# KiCad board pcb-rounded.kicad_pcb (continued)
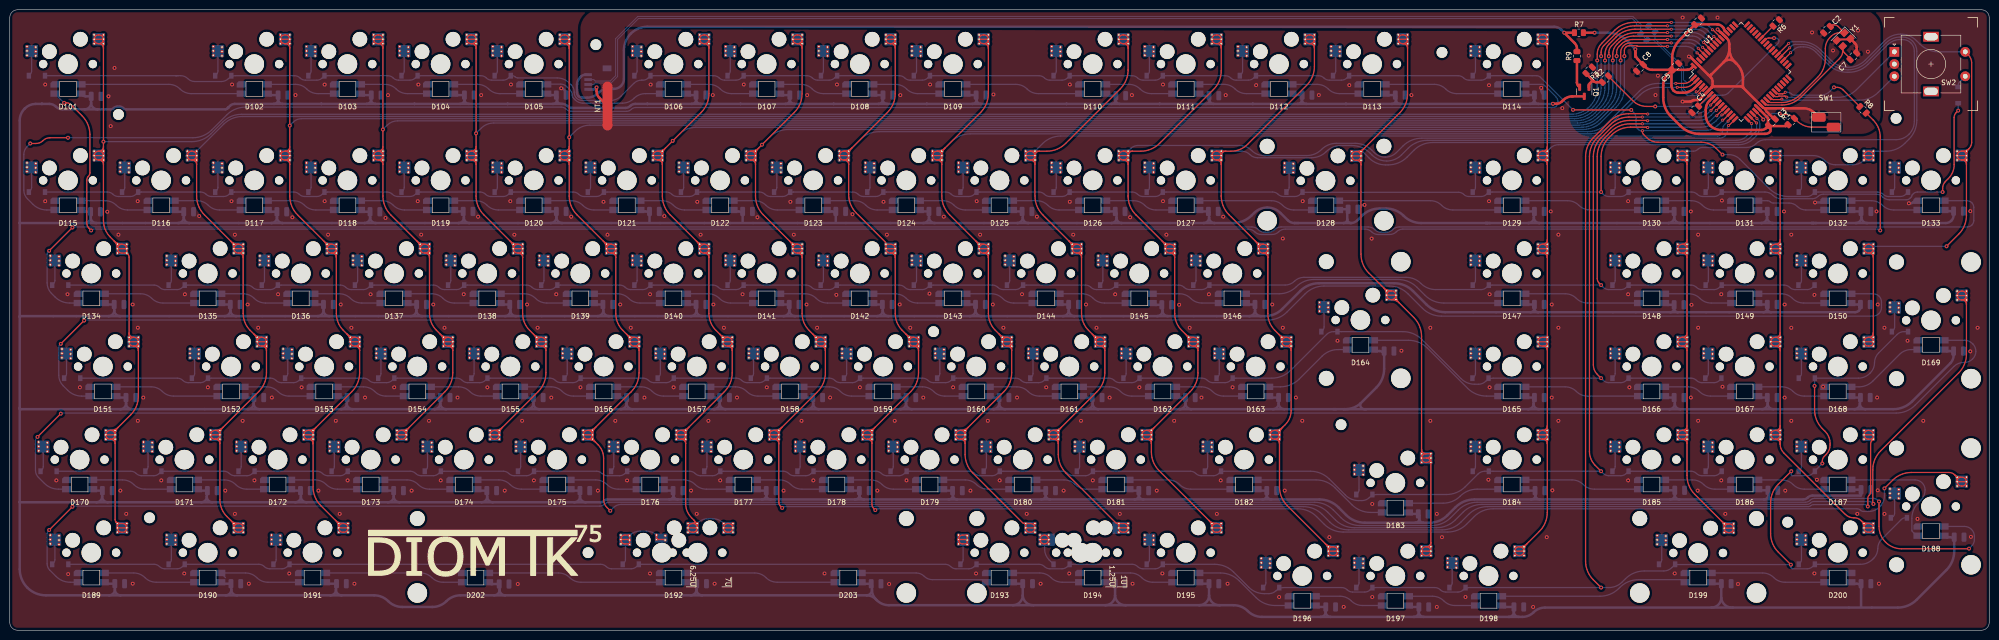
[diagram p0: board, top side]
## Routing (per net, layer and track width the routed paths; a pad name or vN(x,y) marks a point on that pad's centre or on a via; arc(x,y) is an arc through that point) (continued)
Net-(D180-Pad2): length 14.2
  Bottom w0.254: D180.2 215.6,30.77 arc(216.84,30.52) 217.89,29.82 arc(218.94,29.12) 220.18,28.88 D181.4
Net-(D181-Pad2): length 21.4
  Bottom w0.254: D182.4 241.51,28.88 arc(240.28,29.12) 239.23,29.82 arc(238.18,30.52) 236.94,30.77 D181.2
Net-(D182-Pad2): length 27.9
  Bottom w0.254: D183.4 278.31,24.11 arc(276.23,24.53) 274.47,25.71 271,29.18 arc(269.23,30.36) 267.15,30.77 D182.2
Net-(D183-Pad2): length 19.2
  Bottom w0.254: D184.4 300.08,28.88 arc(298.21,28.5) 296.62,27.44 arc(295.03,26.38) 293.16,26.01 D183.2
Net-(D184-Pad2): length 23.7
  Bottom w0.254: D184.2 319.49,30.77 arc(320.73,30.52) 321.78,29.82 arc(322.83,29.12) 324.06,28.88 D185.4
Net-(D185-Pad2): length 14.2
  Bottom w0.254: D185.2 344.13,30.77 arc(345.37,30.52) 346.42,29.82 arc(347.46,29.12) 348.7,28.88 D186.4
Net-(D186-Pad2): length 14.2
  Bottom w0.254: D186.2 362.42,30.77 arc(363.65,30.52) 364.7,29.82 arc(365.75,29.12) 366.99,28.88 D187.4
Net-(D187-Pad2): length 27.2
  Bottom w0.25: D188.4 389.96,19.35 389.07,20.23 arc(389.01,20.32) 388.99,20.43 388.99,22.89 arc(389.34,24.63) 390.32,26.1 390.82,26.59 arc(391.47,27.57) 391.7,28.72 arc(391.09,30.17) 389.64,30.77
  Bottom w0.254: D187.2 389.64,30.77
Net-(D188-Pad2): length 431.4
  Top w0.254: v1(382.27,26.35) 382.27,21.28 arc(382.62,19.51) 383.62,18.02 arc(385.11,17.02) 386.88,16.67 400.63,16.67 arc(400.65,16.67) 400.67,16.68 v1(400.69,16.7) ; v1(12.82,25.28) v1(8.05,20.52)
  Bottom w0.254: v1(400.69,16.7) 401.23,17.25 arc(401.64,17.86) 401.78,18.57 401.78,19.2 arc(401.63,19.98) 401.18,20.65 arc(400.52,21.09) 399.74,21.25 D188.2 ; v1(8.05,20.52) 7.85,20.31 arc(7.69,20.08) 7.64,19.81 7.64,13.59 arc(7.77,12.9) 8.16,12.32 9.47,11.01 arc(10.78,10.13) 12.32,9.83 D189.4 ; v1(382.27,26.35) 381.95,26.67 arc(381.6,26.9) 381.19,26.99 369.13,26.99 arc(368.61,26.88) 368.17,26.59 arc(367.73,26.3) 367.21,26.19 300.08,26.19 arc(298,25.78) 296.23,24.6 294.66,23.03 arc(292.89,21.85) 290.81,21.43 276.1,21.43 arc(274.02,21.85) 272.25,23.03 270.68,24.6 arc(268.91,25.78) 266.83,26.19 122.58,26.19 arc(122.06,26.09) 121.62,25.8 arc(121.18,25.5) 120.66,25.4 13.02,25.4 arc(12.94,25.38) 12.88,25.34 v1(12.82,25.28)
Net-(D189-Pad2): length 19
  Bottom w0.254: D190.4 29.93,9.83 arc(28.69,10.07) 27.65,10.77 arc(26.6,11.47) 25.36,11.72 D189.2
Net-(D190-Pad2): length 17.2
  Bottom w0.254: 44.1,10.77 43.63,11.25 arc(43.57,11.55) 43.83,11.72 48.22,11.72 arc(49.46,11.47) 50.51,10.77 arc(51.55,10.07) 52.79,9.83 D191.4
Net-(D191-Pad2): length 28.5
  Bottom w0.254: D191.2 84.03,11.72 arc(85.27,11.47) 86.32,10.77 arc(87.37,10.07) 88.61,9.83 D202.4
Net-(D192-Pad2): length 30.9
  Bottom w0.254: D192.2 152.36,11.72 arc(153.6,11.47) 154.65,10.77 arc(155.69,10.07) 156.93,9.83 D203.4
Net-(D192-Pad4): length 35.6
  Bottom w0.254: 97.93,11.72 112.23,11.72 arc(113.46,11.47) 114.51,10.77 arc(115.56,10.07) 116.8,9.83 D192.4
Net-(D193-Pad2): length 14.2
  Bottom w0.254: D193.2 210.65,11.72 arc(211.89,11.47) 212.94,10.77 arc(213.99,10.07) 215.23,9.83 D194.4
Net-(D193-Pad4): length 26.2
  Bottom w0.254: 174.13,11.72 185.37,11.72 arc(186.26,11.54) 187.02,11.04 arc(187.78,10.53) 188.67,10.35 198.83,10.35 arc(199.18,10.28) 199.47,10.09 D193.4
Net-(D194-Pad2): length 14.2
  Bottom w0.254: D195.4 233.77,9.83 arc(232.53,10.07) 231.48,10.77 arc(230.43,11.47) 229.19,11.72 D194.2
Net-(D195-Pad2): length 20.8
  Bottom w0.254: D196.4 258.75,5.06 arc(256.67,5.48) 254.9,6.66 251.43,10.13 arc(249.66,11.31) 247.58,11.72 D195.2
Net-(D196-Pad2): length 14.2
  Bottom w0.254: D197.4 276.63,5.06 arc(275.39,5.31) 274.34,6.01 arc(273.29,6.71) 272.06,6.96 266.99,6.96
Net-(D197-Pad2): length 14.2
  Bottom w0.254: 286.04,6.96 290.98,6.96 arc(292.22,6.71) 293.27,6.01 arc(294.31,5.31) 295.55,5.06 D198.4
Net-(D198-Pad2): length 38.6
  Bottom w0.254: D199.4 342.34,10.09 arc(342.05,10.28) 341.71,10.35 333.11,10.35 arc(331.03,9.94) 329.27,8.76 329.06,8.55 arc(327.3,7.37) 325.21,6.96 305.09,6.96
Net-(D199-Pad2): length 23.7
  Bottom w0.254: D200.4 363.05,9.83 arc(361.82,10.07) 360.77,10.77 arc(359.72,11.47) 358.48,11.72 D199.2
Net-(D201-Pad2): length 2.8
  Bottom w0.254: SW2.S1 398.73,112.21 arc(398.53,111.91) 398.46,111.57 D201.2
Net-(J2-Pad4): length 6.5
  Top w0.508: v1(120,111.11) 120,110.33 arc(120.14,109.61) 120.55,109 NT1.2
  Bottom w0.508: 118.28,110.71 119.32,110.71 arc(119.58,110.76) 119.8,110.91 v1(120,111.11)
Net-(Q1-Pad1): length 6.3
  Top w0.508: R2.1 324.44,112.17 arc(324.18,112.22) 323.95,112.37 ; 323.55,112.77 R3.2 ; 323.55,112.77 323.95,112.37 ; 323.55,112.77 arc(323.64,112.57) 323.55,112.37 ; 323.95,112.37 arc(323.75,112.45) 323.55,112.37 ; Q1.1 322.95,111.46 arc(323.01,111.74) 323.17,111.98 323.55,112.37
Net-(Q1-Pad2): length 5.6
  Top w0.508: R9.1 320.5,112.09 arc(320.57,111.73) 320.78,111.43 Q1.2
Net-(R1-Pad2): length 18.5
  Top w0.254: v1(361.95,105.76) 362.05,105.67 arc(362.16,105.59) 362.28,105.57 363.16,105.57 arc(364.11,105.38) 364.9,104.85 365.48,104.28 arc(366.91,103.32) 368.6,102.98 SW1.2 ; v1(358.6,104.51) 358.6,104.6 arc(358.58,104.68) 358.54,104.75 U1.20
  Top w0.508: 364.73,105.02 R1.2
  Bottom w0.254: v1(361.95,105.76) 360.74,105.76 arc(359.92,105.6) 359.23,105.14 v1(358.6,104.51)
Net-(R2-Pad2): length 46.4
  Top w0.254: v1(336.5,107.21) 334.8,107.21 arc(333.23,107.52) 331.9,108.41 326.98,113.34 arc(326.95,113.37) 326.95,113.41 R2.2 ; U1.42 358.98,120.9 arc(359.32,121.13) 359.73,121.21 v1(360.8,121.21)
  Bottom w0.254: v1(360.8,121.21) 361.19,121.21 arc(361.38,121.17) 361.55,121.06 361.75,120.86 arc(361.79,120.81) 361.8,120.74 361.8,120.56 arc(361.75,120.33) 361.62,120.14 351.49,110.01 arc(350.95,109.64) 350.3,109.51 348.7,109.51 arc(347.87,109.35) 347.16,108.88 346.65,108.36 arc(345.38,107.51) 343.87,107.21 v1(336.5,107.21)
Net-(R6-Pad2): length 3.5
  Top w0.254: U1.43 358.11,121.17 arc(358.11,121.17) 358.11,121.18 R6.2

## Copper pours and planes (outline as drawn; the poured copper is in the pictures)
GND on Top, Bottom: 406.1,-1.49 -1.9,-1.49 -1.9,128.51 406.1,128.51
GNDREF on Top, Bottom: 382.59,127.79 382.59,101.6 319.4,101.51 319.5,123.11 125.8,123.51 125.8,107.41 116.7,107.41 116.7,127.71 125.7,127.71
